# Allegro board 8880F5-0825_4.brd (continued)
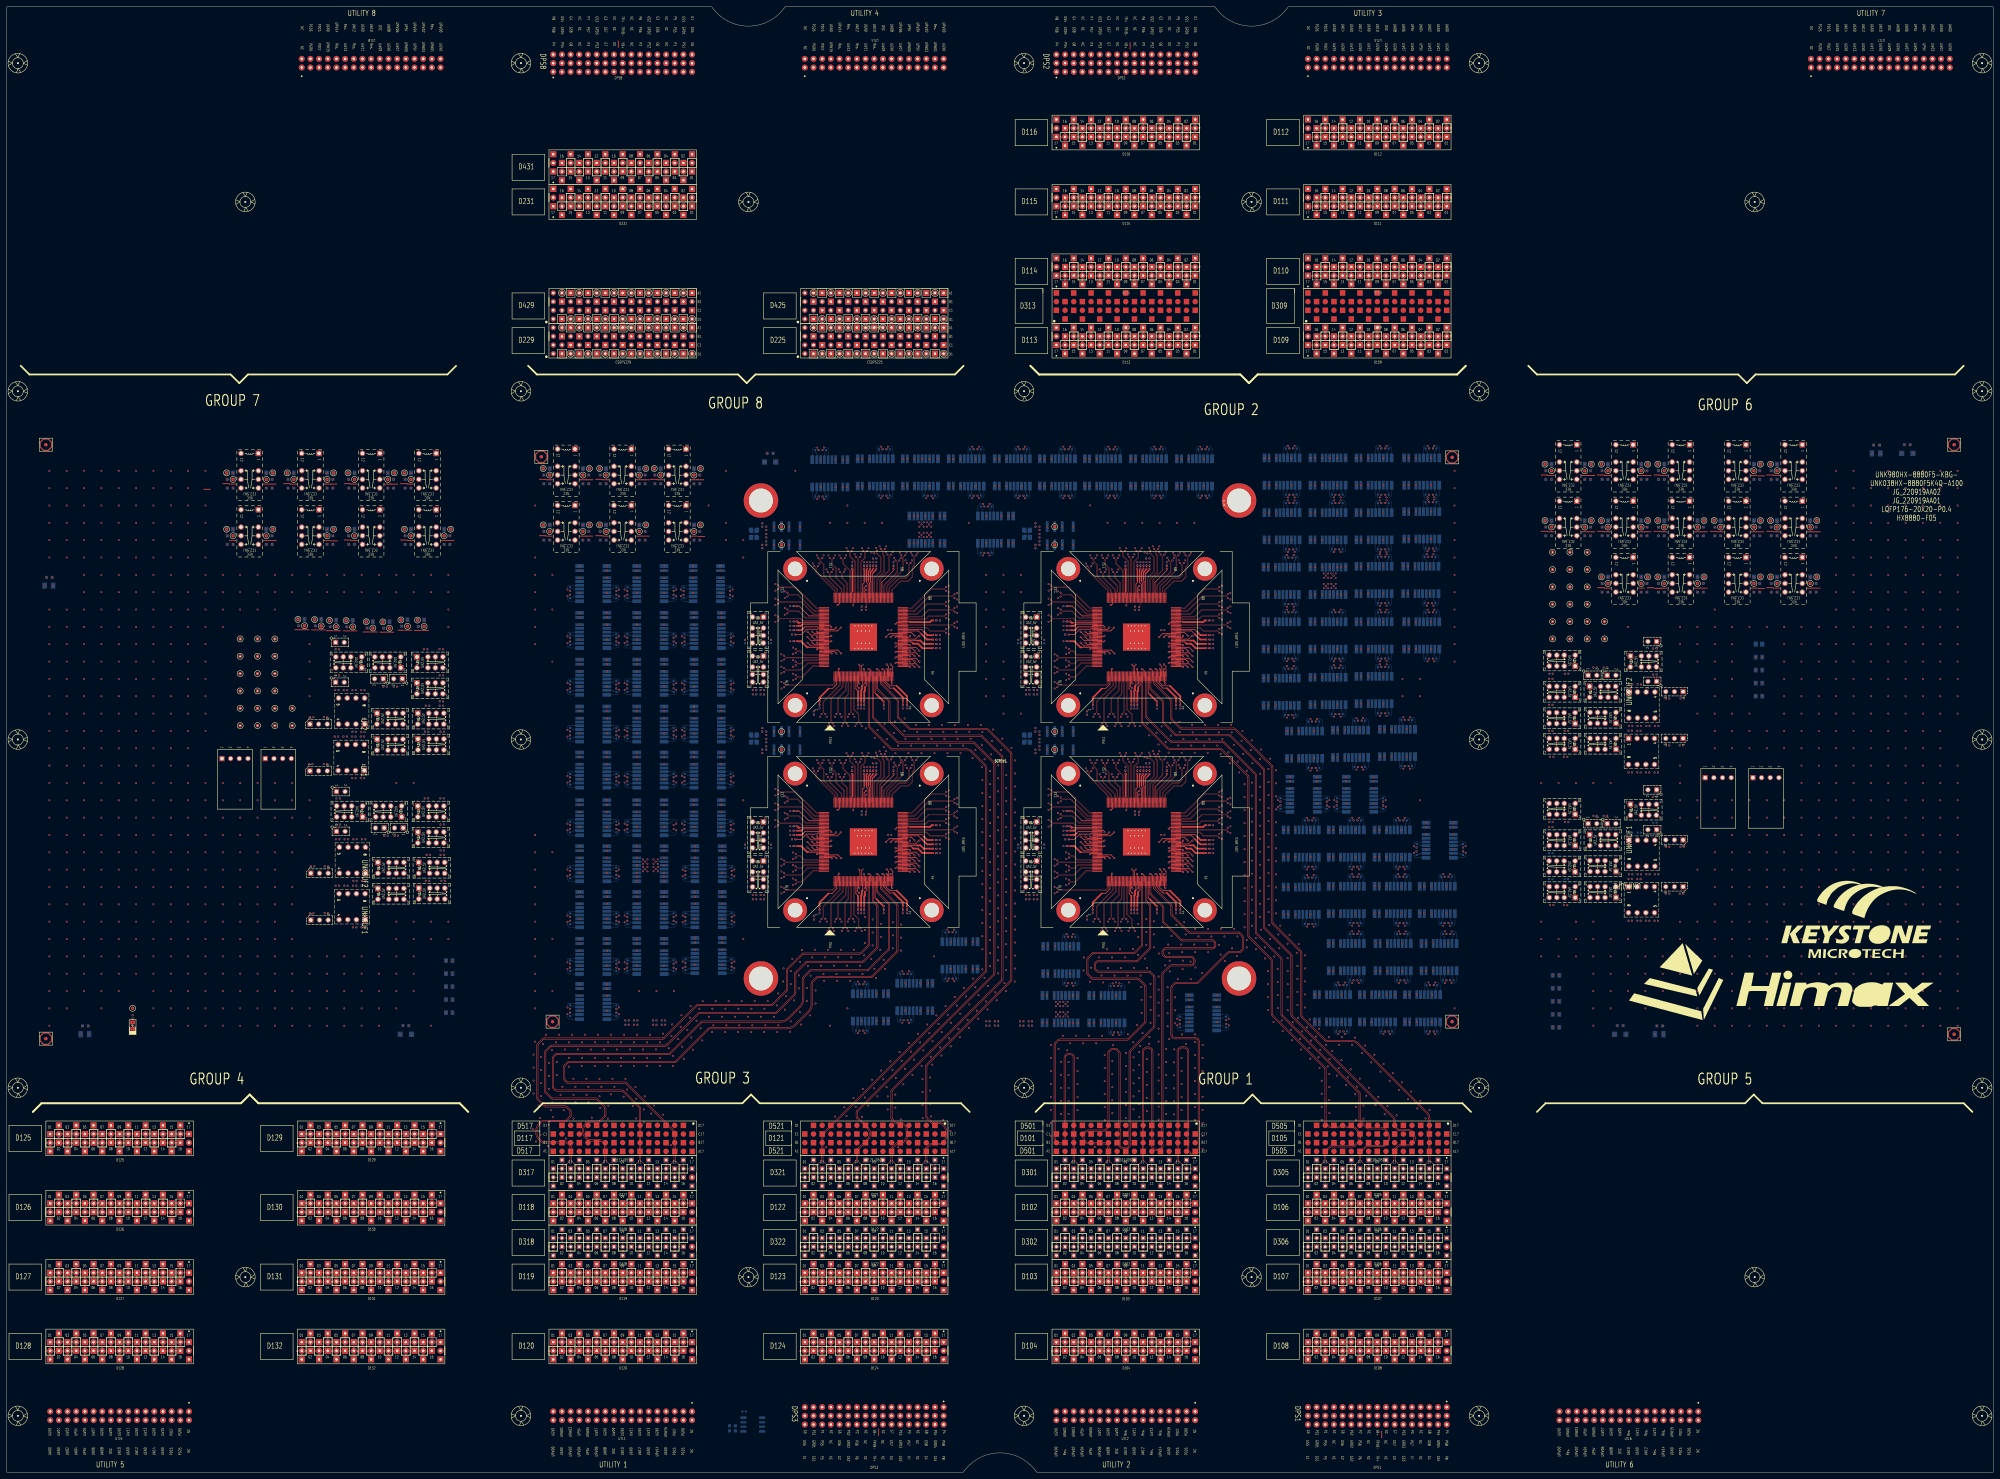
[diagram p0: board, top side]
## Routing (per net, layer and track width the routed paths; a pad name or vN(x,y) marks a point on that pad's centre or on a via; arc(x,y) is an arc through that point) (continued)
D12501: length 376
  TOP w0.086: SITE1.170 237.68,238.43 237.6,238.51 228.05,238.51 v1(227.59,238.06)
  L03_SIGNAL w0.071: D125.01 15.16,94.06 15.16,92.69 13.96,91.5 11.69,91.5 10.46,92.73 10.46,183.57 82.18,255.29 195.85,255.29 196.86,256.31 196.86,257.02 197.34,257.5 198.11,257.5 198.18,257.43 v1(198.18,257.03)
  L28_SIGNAL w0.071: v1(198.18,257.03) 198.18,257.43 198.26,257.5 199.48,257.5 202.42,254.55 207.75,254.55 210.07,252.23 210.07,243.08 211.86,241.29 223.19,241.29 225.95,238.53 227.52,238.53 227.59,238.46 v1(227.59,238.06)
D12502: length 368
  TOP w0.086: v1(227.59,229.94) 228.05,230.39 241.9,230.39 242.55,231.04 242.55,231.4 242.63,231.48 SITE1.2
  L03_SIGNAL w0.071: v1(195.26,243.31) 195.26,243.71 195.33,243.78 196.29,243.78 196.9,244.4 196.9,245.36 196.1,246.16 184.76,246.16 178.17,252.75 162.18,252.75 160.72,251.29 148.81,251.29 143.9,246.39 78.56,246.39 20.25,188.08 20.25,122.02 17.71,119.48 17.71,101.53 D125.02
  L28_SIGNAL w0.071: v1(195.26,243.31) 195.26,243.71 195.33,243.78 196.38,243.78 196.96,244.37 196.96,245.25 197.6,245.89 200.32,245.89 204.56,241.66 204.56,233.57 211.56,226.56 222.7,226.56 223.72,227.58 223.72,228.74 225.39,230.41 227.52,230.41 227.59,230.34 v1(227.59,229.94)
D12503: length 377
  TOP w0.086: v1(227.59,239.2) 228.05,238.75 237.6,238.75 237.68,238.83 SITE1.169
  L03_SIGNAL w0.071: D125.03 15.36,94.1 15.36,92.61 14.05,91.3 11.61,91.3 10.26,92.65 10.26,183.65 82.1,255.49 195.76,255.49 196.67,256.39 196.67,257.11 197.26,257.7 198.11,257.7 198.18,257.77 v1(198.18,258.17)
  L28_SIGNAL w0.071: v1(227.59,239.2) 227.59,238.8 227.52,238.73 226.04,238.73 223.28,241.49 211.94,241.49 210.26,243.16 210.26,252.32 207.83,254.75 202.51,254.75 199.56,257.7 198.26,257.7 198.18,257.77 v1(198.18,258.17)
D12504: length 366.6
  TOP w0.086: SITE1.1 242.23,231.48 242.31,231.4 242.31,231.14 241.8,230.63 228.05,230.63 v1(227.59,231.08)
  L03_SIGNAL w0.071: v1(195.26,244.46) 195.26,244.05 195.33,243.98 196.21,243.98 196.7,244.48 196.7,245.27 196.02,245.96 184.68,245.96 178.09,252.55 162.26,252.55 160.8,251.1 148.89,251.1 143.98,246.19 78.64,246.19 20.45,188 20.45,121.94 17.91,119.4 17.91,101.47 D125.04
  L28_SIGNAL w0.071: v1(227.59,231.08) 227.59,230.68 227.52,230.61 225.31,230.61 223.52,228.82 223.52,227.66 222.61,226.76 211.65,226.76 204.75,233.65 204.75,241.74 200.41,246.09 197.52,246.09 196.76,245.33 196.76,244.45 196.3,243.98 195.33,243.98 195.26,244.05 v1(195.26,244.46)
D12505: length 397.6
  TOP w0.086: v1(230.98,240.03) 231.43,240.48 232.18,240.48 233.36,239.31 237.6,239.31 237.68,239.23 SITE1.168
  L03_SIGNAL w0.071: v1(211.77,257.03) 211.77,257.43 211.7,257.5 210.72,257.5 208.56,259.66 81.6,259.66 7.63,185.7 7.63,90.71 10.18,88.16 21.58,88.16 25.3,91.89 25.3,94.08 D125.05
  L28_SIGNAL w0.071: v1(230.98,240.03) 230.98,240.43 230.91,240.51 229.64,240.51 226.77,243.38 226.77,250.88 220.14,257.5 211.84,257.5 211.77,257.43 v1(211.77,257.03)
D12506: length 343.7
  TOP w0.086: v1(227.59,234.42) 228.05,234.88 232.6,234.88 234.63,236.91 237.6,236.91 237.68,236.83 SITE1.174
  L03_SIGNAL w0.071: D125.06 27.82,101.48 27.82,123.88 30.95,127.01 30.95,193.96 68.65,231.66 85.66,231.66 91.29,237.28 140.27,237.28 152.54,249.55 179.28,249.55 182.96,245.87 182.96,244.09 182.66,243.78 181.75,243.78 181.67,243.71 v1(181.67,243.31)
  L28_SIGNAL w0.071: v1(181.67,243.31) 181.67,243.71 181.75,243.78 182.84,243.78 186.56,247.5 201.98,247.5 212.1,237.37 222.46,237.37 224.94,234.9 227.52,234.9 227.59,234.83 v1(227.59,234.42)
D12507: length 398.5
  TOP w0.086: v1(230.98,241.18) 231.43,240.72 232.28,240.72 233.45,239.55 237.6,239.55 237.68,239.63 SITE1.167
  L03_SIGNAL w0.071: D125.07 25.5,94.08 25.5,91.81 21.66,87.96 10.09,87.96 7.44,90.62 7.44,185.78 81.52,259.86 208.64,259.86 210.8,257.7 211.7,257.7 211.77,257.77 v1(211.77,258.17)
  L28_SIGNAL w0.071: v1(211.77,258.17) 211.77,257.77 211.84,257.7 220.22,257.7 226.96,250.96 226.96,243.47 229.73,240.7 230.91,240.7 230.98,240.77 v1(230.98,241.18)
D12508: length 342.8
  TOP w0.086: v1(227.59,235.57) 228.05,235.12 232.5,235.12 234.53,237.15 237.6,237.15 237.68,237.23 SITE1.173
  L03_SIGNAL w0.071: v1(181.67,244.46) 181.67,244.05 181.75,243.98 182.57,243.98 182.76,244.17 182.76,245.79 179.2,249.36 152.62,249.36 140.35,237.09 91.37,237.09 85.75,231.46 68.74,231.46 31.15,193.88 31.15,126.93 28.02,123.8 28.02,101.52 D125.08
  L28_SIGNAL w0.071: v1(227.59,235.57) 227.59,235.17 227.52,235.1 225.02,235.1 222.55,237.57 212.19,237.57 202.06,247.7 186.47,247.7 182.76,243.98 181.75,243.98 181.67,244.05 v1(181.67,244.46)
D12509: length 373.1
  TOP w0.086: v1(239.69,222.06) 239.24,222.51 239.24,225.66 244.15,230.57 244.15,231.4 244.23,231.48 SITE1.6
  L03_SIGNAL w0.071: v1(212.03,243.31) 212.03,243.71 211.95,243.78 210.34,243.78 206.84,240.29 160.86,240.29 129.45,208.89 87.63,208.89 57.32,178.58 57.32,91.81 53.73,88.21 40.11,88.21 35.47,92.85 35.47,94.07 D125.09
  L28_SIGNAL w0.071: v1(239.69,222.06) 239.29,222.06 239.22,222.13 239.22,234.56 234.89,238.89 229.74,238.89 223.47,245.16 223.47,251.13 222.11,252.49 213.11,252.49 210.94,250.33 210.94,244.11 211.27,243.79 211.95,243.79 212.03,243.71 v1(212.03,243.31)
D12510: length 336.7
  TOP w0.086: SITE1.172 237.68,237.63 237.6,237.71 233.62,237.71 232.68,236.77 231.43,236.77 v1(230.98,236.32)
  L03_SIGNAL w0.071: D125.10 38.01,101.51 38.01,126.37 40.67,129.03 40.67,198.47 67.51,225.32 114.82,225.32 119.2,229.7 138.53,229.7 156.16,247.33 178.11,247.33 180.1,245.35 180.1,244.33 179.55,243.78 178.57,243.78 178.5,243.71 v1(178.5,243.31)
  L28_SIGNAL w0.071: v1(230.98,236.32) 230.98,236.72 230.91,236.79 225.82,236.79 222.11,240.49 210.81,240.49 202.04,249.26 182.22,249.26 180.21,247.25 180.21,244.45 179.55,243.78 178.57,243.78 178.5,243.71 v1(178.5,243.31)
D12511: length 371.8
  TOP w0.086: SITE1.5 243.83,231.48 243.91,231.4 243.91,230.67 239,225.76 239,222.51 v1(238.55,222.06)
  L03_SIGNAL w0.071: v1(212.03,244.46) 212.03,244.05 211.95,243.98 210.25,243.98 206.76,240.49 160.78,240.49 129.37,209.09 87.55,209.09 57.13,178.66 57.13,91.89 53.65,88.41 40.19,88.41 35.67,92.93 35.67,94.09 D125.11
  L28_SIGNAL w0.071: v1(238.55,222.06) 238.95,222.06 239.02,222.13 239.02,234.48 234.81,238.7 229.66,238.7 223.27,245.08 223.27,251.05 222.02,252.3 213.19,252.3 211.14,250.24 211.14,244.19 211.35,243.98 211.95,243.98 212.03,244.05 v1(212.03,244.46)
D12512: length 335.7
  TOP w0.086: SITE1.171 237.68,238.03 237.6,237.95 233.52,237.95 232.58,237.01 231.43,237.01 v1(230.98,237.46)
  L03_SIGNAL w0.071: D125.12 38.21,101.49 38.21,126.29 40.86,128.95 40.86,198.39 67.59,225.12 114.91,225.12 119.29,229.5 138.61,229.5 156.24,247.13 178.03,247.13 179.9,245.26 179.9,244.41 179.47,243.98 178.57,243.98 178.5,244.05 v1(178.5,244.46)
  L28_SIGNAL w0.071: v1(178.5,244.46) 178.5,244.05 178.57,243.98 179.46,243.98 180.01,244.53 180.01,247.34 182.13,249.46 202.12,249.46 210.89,240.69 222.19,240.69 225.9,236.99 230.91,236.99 230.98,237.06 v1(230.98,237.46)
D12513: length 355.5
  TOP w0.086: v1(241.88,219.32) 241.42,219.77 241.42,226.55 244.95,230.08 244.95,231.4 245.03,231.48 SITE1.8
  L03_SIGNAL w0.071: D125.13 45.64,94.06 45.64,92.99 47.01,91.62 53.72,91.62 54.87,92.78 54.87,190.7 75.31,211.14 105.82,211.14 107.74,213.07 130.62,213.07 159.19,241.64 195.98,241.64 197.02,242.68 197.02,243.09 197.71,243.78 198.37,243.78 198.44,243.71 v1(198.44,243.31)
  L28_SIGNAL w0.071: v1(198.44,243.31) 198.44,243.71 198.51,243.78 199.31,243.78 202.95,240.15 202.95,233.56 211.07,225.44 222.39,225.44 229.09,218.74 232.99,218.74 235.24,216.49 239.98,216.49 241.4,217.91 241.4,219.24 241.47,219.32 v1(241.88,219.32)
D12514: length 336.6
  TOP w0.086: v1(230.98,232.38) 231.43,232.83 232.94,232.83 236.22,236.11 237.6,236.11 237.68,236.03 SITE1.176
  L03_SIGNAL w0.071: D125.14 48.17,101.51 48.17,128.46 49.98,130.27 49.98,202.8 69.52,222.34 96.01,222.34 97.4,220.94 134.83,220.94 160.08,246.19 165.8,246.19 166.34,245.64 166.34,244.25 165.87,243.78 164.98,243.78 164.91,243.71 v1(164.91,243.31)
  L28_SIGNAL w0.071: v1(230.98,232.38) 230.98,232.78 230.91,232.85 226.38,232.85 223.48,229.95 215.98,229.95 213.32,232.62 208.65,232.62 206.18,235.08 206.18,241.85 201.34,246.69 192.21,246.69 187.17,241.65 168.12,241.65 165.98,243.78 164.98,243.78 164.91,243.71 v1(164.91,243.31)
D12515: length 354.8
  TOP w0.086: SITE1.7 244.63,231.48 244.71,231.4 244.71,230.18 241.18,226.65 241.18,219.77 v1(240.73,219.32)
  L03_SIGNAL w0.071: v1(198.44,244.46) 198.44,244.05 198.37,243.98 197.63,243.98 196.82,243.17 196.82,242.76 195.9,241.84 159.11,241.84 130.53,213.27 107.66,213.27 105.74,211.34 75.23,211.34 54.67,190.79 54.67,92.86 53.63,91.82 47.09,91.82 45.84,93.08 45.84,94.1 D125.15
  L28_SIGNAL w0.071: v1(198.44,244.46) 198.44,244.05 198.51,243.98 199.4,243.98 203.15,240.23 203.15,233.64 211.15,225.64 222.47,225.64 229.17,218.93 233.08,218.93 235.33,216.69 239.89,216.69 241.2,218 241.2,219.24 241.13,219.32 v1(240.73,219.32)
D12516: length 335.6
  TOP w0.086: SITE1.175 237.68,236.43 237.6,236.35 236.12,236.35 232.84,233.07 231.43,233.07 v1(230.98,233.52)
  L03_SIGNAL w0.071: v1(164.91,244.46) 164.91,244.05 164.98,243.98 165.79,243.98 166.14,244.33 166.14,245.56 165.71,245.99 160.16,245.99 134.91,220.74 97.32,220.74 95.92,222.14 69.6,222.14 50.18,202.72 50.18,130.19 48.37,128.38 48.37,101.49 D125.16
  L28_SIGNAL w0.071: v1(230.98,233.52) 230.98,233.12 230.91,233.05 226.3,233.05 223.4,230.15 216.06,230.15 213.4,232.82 208.73,232.82 206.38,235.17 206.38,241.93 201.42,246.89 192.13,246.89 187.09,241.85 168.2,241.85 166.07,243.98 164.98,243.98 164.91,244.05 v1(164.91,244.46)
D12609: length 380.3
  TOP w0.086: v1(246.02,219.32) 245.57,219.77 245.57,226.86 246.55,227.84 246.55,231.4 246.63,231.48 SITE1.12
  L03_SIGNAL w0.071: v1(164.91,229.6) 164.91,230 164.84,230.07 162.72,230.07 161.13,228.49 161.13,200.83 137.25,176.94 99.91,176.94 98.24,178.61 88.45,178.61 70.45,160.61 70.45,79.26 59.12,67.93 38.8,67.93 35.44,71.28 35.44,73.78 D126.09
  L28_SIGNAL w0.071: v1(246.02,219.32) 245.62,219.32 245.55,219.24 245.55,216.77 242.34,213.56 228.3,213.56 225.68,216.17 225.68,217.91 221.81,221.78 196.88,221.78 184.9,233.76 169.52,233.76 165.83,230.07 164.98,230.07 164.91,230 v1(164.91,229.6)
D12610: length 370.4
  TOP w0.086: v1(247.8,222.06) 247.35,222.51 247.35,231.4 247.43,231.48 SITE1.14
  L03_SIGNAL w0.071: D126.10 37.99,81.17 37.99,82.83 41.21,86.05 55.28,86.05 60.45,91.21 60.45,166.08 95.52,201.16 124.77,201.16 162.81,239.2 194.4,239.2 196.92,236.69 196.92,230.59 196.4,230.07 195.33,230.07 195.26,230 v1(195.26,229.6)
  L28_SIGNAL w0.071: v1(195.26,229.6) 195.26,230 195.33,230.07 196.43,230.07 196.76,229.75 196.76,228.45 198.52,226.69 208.01,226.69 211.06,223.64 222.09,223.64 227.82,217.91 227.82,216.2 228.91,215.11 240.76,215.11 243.18,217.52 243.18,219.56 241.52,221.22 241.52,222.63 242.51,223.62 247.74,223.62 249.38,221.99 249.38,221.02 248.82,220.46 247.95,220.46 247.33,221.08 247.33,221.99 247.4,222.06 v1(247.8,222.06)
D12611: length 379.7
  TOP w0.086: SITE1.11 246.23,231.48 246.31,231.4 246.31,227.94 245.33,226.96 245.33,219.77 v1(244.88,219.32)
  L03_SIGNAL w0.071: v1(164.91,230.74) 164.91,230.34 164.84,230.27 162.63,230.27 160.94,228.57 160.94,200.91 137.16,177.14 99.99,177.14 98.32,178.81 88.37,178.81 70.25,160.69 70.25,79.34 59.04,68.13 38.88,68.13 35.64,71.37 35.64,73.74 D126.11
  L28_SIGNAL w0.071: v1(244.88,219.32) 245.28,219.32 245.35,219.24 245.35,216.85 242.26,213.76 228.38,213.76 225.88,216.25 225.88,217.99 221.89,221.98 196.96,221.98 184.98,233.96 169.43,233.96 165.74,230.27 164.98,230.27 164.91,230.34 v1(164.91,230.74)
D12612: length 370.4
  TOP w0.086: v1(246.66,222.06) 247.11,222.51 247.11,231.4 247.03,231.48 SITE1.13
  L03_SIGNAL w0.071: v1(195.26,230.74) 195.26,230.34 195.33,230.27 196.32,230.27 196.72,230.67 196.72,236.6 194.32,239.01 162.89,239.01 124.85,200.96 95.61,200.96 60.64,166 60.64,91.13 55.36,85.85 41.29,85.85 38.19,82.74 38.19,81.19 D126.12
  L28_SIGNAL w0.071: v1(246.66,222.06) 247.06,222.06 247.13,221.99 247.13,221 247.87,220.26 248.9,220.26 249.58,220.94 249.58,222.07 247.83,223.82 242.43,223.82 241.32,222.71 241.32,221.14 242.98,219.48 242.98,217.61 240.68,215.31 228.99,215.31 228.01,216.28 228.01,218 222.17,223.84 211.14,223.84 208.09,226.88 198.6,226.88 196.96,228.53 196.96,229.83 196.52,230.27 195.33,230.27 195.26,230.34 v1(195.26,230.74)
D12613: length 377.8
  TOP w0.086: v1(244.03,222.06) 243.58,222.51 243.58,226.78 245.75,228.95 245.75,231.4 245.83,231.48 SITE1.10
  L03_SIGNAL w0.071: v1(178.5,229.6) 178.5,230 178.43,230.07 177.25,230.07 174.96,232.35 162.04,232.35 158.09,228.41 158.09,203.22 140.71,185.83 117.36,185.83 111.9,180.38 85.49,180.38 66.95,161.84 66.95,80 57.78,70.83 46.49,70.83 45.61,71.71 45.61,73.77 D126.13
  L28_SIGNAL w0.071: v1(244.03,222.06) 243.63,222.06 243.56,221.99 243.56,220.75 243.89,220.42 246.49,220.42 247.48,219.43 247.48,215.4 244.58,212.5 226.05,212.5 223.38,215.17 223.38,218.05 221.64,219.79 190.42,219.79 188.74,221.48 188.74,227.44 183.92,232.26 180.63,232.26 180.14,231.77 180.14,230.55 179.65,230.07 178.57,230.07 178.5,230 v1(178.5,229.6)
D12614: length 372.5
  TOP w0.086: v1(249.98,219.32) 249.52,219.77 249.52,222.12 248.15,223.49 248.15,231.4 248.23,231.48 SITE1.16
  L03_SIGNAL w0.071: v1(181.67,229.6) 181.67,230 181.75,230.07 182.76,230.07 183.42,230.73 183.42,232.56 180.51,235.47 161.65,235.47 155.28,229.1 155.28,208.1 140.83,193.65 93.11,193.65 63.94,164.49 63.94,90.17 57.91,84.14 50,84.14 48.15,82.29 48.15,81.17 D126.14
  L28_SIGNAL w0.071: v1(249.98,219.32) 249.57,219.32 249.5,219.24 249.5,215.51 244.1,210.11 225.52,210.11 223.74,208.33 189.34,208.33 186.63,211.03 186.63,226.17 182.73,230.07 181.75,230.07 181.67,230 v1(181.67,229.6)
D12615: length 377.1
  TOP w0.086: v1(242.89,222.06) 243.34,222.51 243.34,226.88 245.51,229.05 245.51,231.4 245.43,231.48 SITE1.9
  L03_SIGNAL w0.071: D126.15 45.81,73.75 45.81,71.79 46.57,71.03 57.7,71.03 66.75,80.08 66.75,161.92 85.4,180.58 111.82,180.58 117.27,186.03 140.63,186.03 157.9,203.3 157.9,228.49 161.96,232.55 175.05,232.55 177.33,230.27 178.43,230.27 178.5,230.34 v1(178.5,230.74)
  L28_SIGNAL w0.071: v1(242.89,222.06) 243.29,222.06 243.36,221.99 243.36,220.67 243.81,220.22 246.41,220.22 247.28,219.34 247.28,215.48 244.5,212.7 226.13,212.7 223.58,215.25 223.58,218.13 221.72,219.99 190.51,219.99 188.93,221.56 188.93,227.53 184,232.46 180.55,232.46 179.94,231.85 179.94,230.63 179.57,230.27 178.57,230.27 178.5,230.34 v1(178.5,230.74)
D12616: length 371.2
  TOP w0.086: v1(248.83,219.32) 249.28,219.77 249.28,222.02 247.91,223.39 247.91,231.4 247.83,231.48 SITE1.15
  L03_SIGNAL w0.071: D126.16 48.35,81.19 48.35,82.2 50.08,83.94 57.99,83.94 64.14,90.09 64.14,164.4 93.19,193.45 140.91,193.45 155.48,208.02 155.48,229.02 161.73,235.27 180.43,235.27 183.22,232.48 183.22,230.81 182.67,230.27 181.75,230.27 181.67,230.34 v1(181.67,230.74)
  L28_SIGNAL w0.071: v1(181.67,230.74) 181.67,230.34 181.75,230.27 182.81,230.27 186.83,226.25 186.83,211.12 189.42,208.52 223.66,208.52 225.44,210.3 244.02,210.3 249.3,215.59 249.3,219.24 249.23,219.32 v1(248.83,219.32)
D12901: length 279.2
  TOP w0.086: SITE3.174 237.68,176.83 237.6,176.91 234.63,176.91 232.6,174.88 228.05,174.88 v1(227.59,174.42)
  L03_SIGNAL w0.071: v1(181.67,161.52) 181.67,161.93 181.6,162 180.58,162 179.9,162.68 179.9,163.52 179.12,164.29 140.5,164.29 83.38,107.17 83.38,92.99 84.53,91.84 87.97,91.84 88.79,92.65 88.79,94.09 D129.01
  L28_SIGNAL w0.071: v1(181.67,161.52) 181.67,161.93 181.6,162 180.45,162 179.92,162.53 179.92,182.63 189.68,192.4 225.65,192.4 227.54,190.5 229.3,190.5 229.56,190.76 236.23,190.76 238.77,188.22 238.77,175.52 233.61,170.36 230.19,170.36 228.83,171.72 228.83,174.48 228.41,174.9 227.67,174.9 227.59,174.83 v1(227.59,174.42)
D12902: length 205.5
  TOP w0.086: SITE3.2 242.63,171.48 242.55,171.4 242.55,171.04 241.9,170.39 228.05,170.39 v1(227.59,169.94)
  L03_SIGNAL w0.071: D129.02 91.31,101.47 91.31,109.34 118.7,136.73 130.88,136.73 154.1,159.94 184.78,159.94 189,164.17 196.43,164.17 196.89,163.7 196.89,162.43 196.46,162 195.33,162 195.26,161.93 v1(195.26,161.52)
  L28_SIGNAL w0.071: v1(195.26,161.52) 195.26,161.93 195.33,162 196.55,162 196.88,161.67 196.88,160.54 197.56,159.86 207.49,159.86 209.2,158.15 220.9,158.15 225.53,162.78 225.53,169.89 226.06,170.41 227.52,170.41 227.59,170.34 v1(227.59,169.94)
D12903: length 278.9
  TOP w0.086: SITE3.173 237.68,177.23 237.6,177.15 234.53,177.15 232.5,175.12 228.05,175.12 v1(227.59,175.57)
  L03_SIGNAL w0.071: v1(181.67,162.67) 181.67,162.27 181.6,162.2 180.67,162.2 180.09,162.77 180.09,163.6 179.21,164.49 140.42,164.49 83.18,107.25 83.18,92.9 84.44,91.64 88.06,91.64 88.99,92.57 88.99,94.07 D129.03
  L28_SIGNAL w0.071: v1(181.67,162.67) 181.67,162.27 181.6,162.2 180.53,162.2 180.11,162.61 180.11,182.55 189.76,192.2 225.57,192.2 227.46,190.31 229.39,190.31 229.64,190.56 236.15,190.56 238.57,188.14 238.57,175.6 233.53,170.55 230.27,170.55 229.03,171.8 229.03,174.56 228.49,175.1 227.67,175.1 227.59,175.17 v1(227.59,175.57)
D12904: length 204.1
  TOP w0.086: v1(227.59,171.09) 228.05,170.63 241.8,170.63 242.31,171.14 242.31,171.4 242.23,171.48 SITE3.1
  L03_SIGNAL w0.071: v1(195.26,162.67) 195.26,162.27 195.33,162.2 196.38,162.2 196.7,162.51 196.7,163.62 196.35,163.97 189.09,163.97 184.86,159.74 154.18,159.74 130.97,136.53 118.78,136.53 91.51,109.26 91.51,101.53 D129.04
  L28_SIGNAL w0.071: v1(227.59,171.09) 227.59,170.68 227.52,170.61 225.98,170.61 225.34,169.97 225.34,162.87 220.82,158.35 209.28,158.35 207.57,160.06 197.64,160.06 197.08,160.62 197.08,161.75 196.64,162.2 195.33,162.2 195.26,162.27 v1(195.26,162.67)
D12905: length 249.7
  TOP w0.086: v1(230.98,180.03) 231.43,180.49 232.18,180.49 233.36,179.31 237.6,179.31 237.68,179.23 SITE3.168
  L03_SIGNAL w0.071: D129.05 99.06,93.98 99.06,91.59 96.64,89.17 84.56,89.17 80.83,92.9 80.83,110.26 140.06,169.49 162.97,169.49 164.36,170.89 202.14,170.89 211.03,162 212.21,162 212.28,161.93 v1(212.28,161.52)
  L28_SIGNAL w0.071: v1(230.98,180.03) 230.98,180.43 230.91,180.51 217.82,180.51 216.39,179.08 216.39,164.31 214.08,162 212.35,162 212.28,161.93 v1(212.28,161.52)
D12906: length 190.7
  TOP w0.086: v1(227.59,178.06) 228.05,178.51 237.6,178.51 237.68,178.43 SITE3.170
  L03_SIGNAL w0.071: D129.06 101.55,101.55 101.55,104.26 155.34,158.05 186.11,158.05 188.02,159.96 198.85,159.96 199.99,161.09 199.99,161.63 199.62,162 198.76,162 198.69,161.93 v1(198.69,161.52)
  L28_SIGNAL w0.071: v1(227.59,178.06) 227.59,178.46 227.52,178.53 224.03,178.53 223.74,178.25 223.74,163.67 219.75,159.68 209.73,159.68 206.13,163.29 201.14,163.29 199.85,162 198.76,162 198.69,161.93 v1(198.69,161.52)
D12907: length 250.6
  TOP w0.086: v1(230.98,181.18) 231.43,180.72 232.28,180.72 233.45,179.55 237.6,179.55 237.68,179.63 SITE3.167
  L03_SIGNAL w0.071: v1(212.28,162.67) 212.28,162.27 212.21,162.2 211.11,162.2 202.22,171.09 164.28,171.09 162.88,169.69 139.98,169.69 80.63,110.34 80.63,92.82 84.47,88.97 96.72,88.97 99.26,91.51 99.26,94.18 D129.07
  L28_SIGNAL w0.071: v1(212.28,162.67) 212.28,162.27 212.35,162.2 214,162.2 216.19,164.39 216.19,179.16 217.74,180.7 230.91,180.7 230.98,180.77 v1(230.98,181.18)
D12908: length 191
  TOP w0.086: v1(227.59,179.2) 228.05,178.75 237.6,178.75 237.68,178.83 SITE3.169
  L03_SIGNAL w0.071: D129.08 101.74,101.46 101.74,104.18 155.42,157.85 186.19,157.85 188.1,159.76 198.94,159.76 200.18,161.01 200.18,161.72 199.7,162.2 198.76,162.2 198.69,162.27 v1(198.69,162.67)
  L28_SIGNAL w0.071: v1(227.59,179.2) 227.59,178.8 227.52,178.73 223.94,178.73 223.54,178.33 223.54,163.75 219.67,159.88 209.82,159.88 206.21,163.48 201.06,163.48 199.77,162.2 198.76,162.2 198.69,162.27 v1(198.69,162.67)
D12909: length 219.3
  TOP w0.086: SITE3.7 244.63,171.48 244.71,171.4 244.71,170.18 241.18,166.65 241.18,159.77 v1(240.73,159.32)
  L03_SIGNAL w0.071: v1(198.69,149.21) 198.69,148.8 198.76,148.73 199.83,148.73 200.26,148.3 200.26,147.05 197.21,144 159.41,144 139.1,123.69 139.1,97.02 130.01,87.94 112.33,87.94 109.07,91.19 109.07,94.13 D129.09
  L28_SIGNAL w0.071: v1(198.69,149.21) 198.69,148.8 198.76,148.73 199.29,148.73 210.88,137.14 224.43,137.14 228.44,141.14 228.44,144.84 235.68,152.08 237.22,152.08 241.2,156.07 241.2,159.24 241.13,159.32 v1(240.73,159.32)
D12910: length 187.3
  TOP w0.086: SITE3.6 244.23,171.48 244.15,171.4 244.15,170.57 239.24,165.66 239.24,162.51 v1(239.69,162.06)
  L03_SIGNAL w0.071: D129.10 111.64,101.48 111.64,109.5 155.93,153.8 212.96,153.8 214.42,152.34 214.42,149.14 213.81,148.53 212.35,148.53 212.28,148.46 v1(212.28,148.06)
  L28_SIGNAL w0.071: v1(212.28,148.06) 212.28,148.46 212.35,148.53 214,148.53 214.84,149.38 214.84,150.3 218.28,153.74 226.1,153.74 231.08,158.71 237.28,158.71 239.22,160.65 239.22,161.99 239.29,162.06 v1(239.69,162.06)
D12911: length 218.7
  TOP w0.086: SITE3.8 245.03,171.48 244.95,171.4 244.95,170.08 241.42,166.55 241.42,159.77 v1(241.88,159.32)
  L03_SIGNAL w0.071: v1(198.69,148.06) 198.69,148.46 198.76,148.53 199.75,148.53 200.06,148.22 200.06,147.13 197.13,144.2 159.32,144.2 138.9,123.77 138.9,97.1 129.93,88.13 112.41,88.13 109.27,91.27 109.27,94.03 D129.11
  L28_SIGNAL w0.071: v1(198.69,148.06) 198.69,148.46 198.76,148.53 199.2,148.53 210.8,136.94 224.51,136.94 228.64,141.06 228.64,144.76 235.77,151.89 237.3,151.89 241.4,155.99 241.4,159.24 241.47,159.32 v1(241.88,159.32)
D12912: length 186
  TOP w0.086: SITE3.5 243.83,171.48 243.91,171.4 243.91,170.67 239,165.76 239,162.51 v1(238.55,162.06)
  L03_SIGNAL w0.071: v1(212.28,149.21) 212.28,148.8 212.35,148.73 213.73,148.73 214.22,149.22 214.22,152.25 212.87,153.6 156.01,153.6 111.84,109.42 111.84,101.52 D129.12
  L28_SIGNAL w0.071: v1(238.55,162.06) 238.95,162.06 239.02,161.99 239.02,160.73 237.2,158.91 231,158.91 226.02,153.93 218.2,153.93 214.65,150.38 214.65,149.46 213.92,148.73 212.35,148.73 212.28,148.8 v1(212.28,149.21)
D12913: length 205.4
  TOP w0.086: v1(244.03,162.06) 243.58,162.51 243.58,166.78 245.75,168.95 245.75,171.4 245.83,171.48 SITE3.10
  L03_SIGNAL w0.071: D129.13 119.24,94.12 119.24,92.4 121.18,90.46 127.07,90.46 135.13,98.52 135.13,124.14 156.86,145.86 191.9,145.86 194.32,148.28 195.19,148.28 195.26,148.21 v1(195.26,147.81)
  L28_SIGNAL w0.071: v1(195.26,147.81) 195.26,148.21 195.33,148.28 196.1,148.28 209.7,134.68 225.95,134.68 243.56,152.28 243.56,161.99 243.63,162.06 v1(244.03,162.06)
D12914: length 201.8
  TOP w0.086: v1(246.02,159.32) 245.57,159.77 245.57,166.86 246.55,167.84 246.55,171.4 246.63,171.48 SITE3.12
  L03_SIGNAL w0.071: D129.14 121.81,101.49 121.81,114.69 158.76,151.64 182.01,151.64 183.2,150.45 183.2,148.84 182.64,148.28 181.75,148.28 181.67,148.21 v1(181.67,147.81)
  L28_SIGNAL w0.071: v1(246.02,159.32) 245.62,159.32 245.55,159.24 245.55,149.93 241.16,145.54 241.16,142.64 234.79,136.27 231.18,136.27 227.17,132.27 208.09,132.27 194.54,145.82 185.51,145.82 183.05,148.28 181.75,148.28 181.67,148.21 v1(181.67,147.81)
D12915: length 204.7
  TOP w0.086: SITE3.9 245.43,171.48 245.51,171.4 245.51,169.05 243.34,166.88 243.34,162.51 v1(242.89,162.06)
  L03_SIGNAL w0.071: v1(195.26,148.95) 195.26,148.55 195.19,148.48 194.24,148.48 191.82,146.06 156.78,146.06 134.93,124.22 134.93,98.6 126.99,90.66 121.27,90.66 119.44,92.48 119.44,94.04 D129.15
  L28_SIGNAL w0.071: v1(195.26,148.95) 195.26,148.55 195.33,148.48 196.18,148.48 209.78,134.88 225.87,134.88 243.36,152.37 243.36,161.99 243.29,162.06 v1(242.89,162.06)
D12916: length 200.5
  TOP w0.086: v1(244.88,159.32) 245.33,159.77 245.33,166.96 246.31,167.94 246.31,171.4 246.23,171.48 SITE3.11
  L03_SIGNAL w0.071: D129.16 122.01,101.51 122.01,114.61 158.85,151.45 181.92,151.45 183,150.37 183,148.92 182.55,148.48 181.75,148.48 181.67,148.55 v1(181.67,148.95)
  L28_SIGNAL w0.071: v1(181.67,148.95) 181.67,148.55 181.75,148.48 183.13,148.48 185.59,146.02 194.62,146.02 208.17,132.47 227.09,132.47 231.1,136.47 234.71,136.47 240.96,142.73 240.96,145.62 245.35,150.01 245.35,159.24 245.28,159.32 v1(244.88,159.32)
D13001: length 273.6
  TOP w0.086: v1(230.98,176.32) 231.43,176.77 232.68,176.77 233.62,177.71 237.6,177.71 237.68,177.63 SITE3.172
  L03_SIGNAL w0.071: v1(212.28,174.99) 212.28,175.39 212.21,175.46 210.86,175.46 205.44,180.88 178.55,180.88 176.09,178.42 141.67,178.42 128.7,165.44 126.2,165.44 73.9,113.14 73.9,78.23 81.9,70.23 87.95,70.23 88.83,71.11 88.83,73.73 D130.01
  L28_SIGNAL w0.071: v1(230.98,176.32) 230.98,176.72 231.05,176.79 232.16,176.79 233.03,177.66 233.03,181.75 232.22,182.56 223.53,182.56 222.51,181.54 214.02,181.54 210.48,178 210.48,176.37 211.39,175.46 212.21,175.46 212.28,175.39 v1(212.28,174.99)
D13002: length 275.4
  TOP w0.086: v1(230.98,172.38) 231.43,172.83 232.94,172.83 236.22,176.11 237.6,176.11 237.68,176.03 SITE3.176
  L03_SIGNAL w0.071: D130.02 91.3,81.14 91.3,83.04 90.31,84.04 84.58,84.04 77.13,91.48 77.13,111.44 138.05,172.36 187.94,172.36 193.48,177.9 200.12,177.9 200.54,177.48 200.54,175.98 200.02,175.46 198.76,175.46 198.69,175.39 v1(198.69,174.99)
  L28_SIGNAL w0.071: v1(230.98,172.38) 230.98,172.78 231.05,172.85 232.91,172.85 234.61,174.55 234.61,181.54 233.17,182.98 233.17,183.75 232.41,184.51 227.36,184.51 222.86,189.01 216.52,189.01 213.38,185.88 199.2,185.88 194.96,181.64 194.96,176.9 196.41,175.46 198.62,175.46 198.69,175.39 v1(198.69,174.99)